# Altium PCB OAI_KPA_Power_Module.PcbDoc (part 1 of 3)
Units mm, origin at the board's own origin, x right, y up, seen from the top; angles counter-clockwise.
Board outline 150.02 x 64.8 mm, 4 copper layers (Top Layer, Mid-Layer 1, Internal Plane 2, Bottom Layer); 170 components, 188 nets, 852 pads, 320 vias.
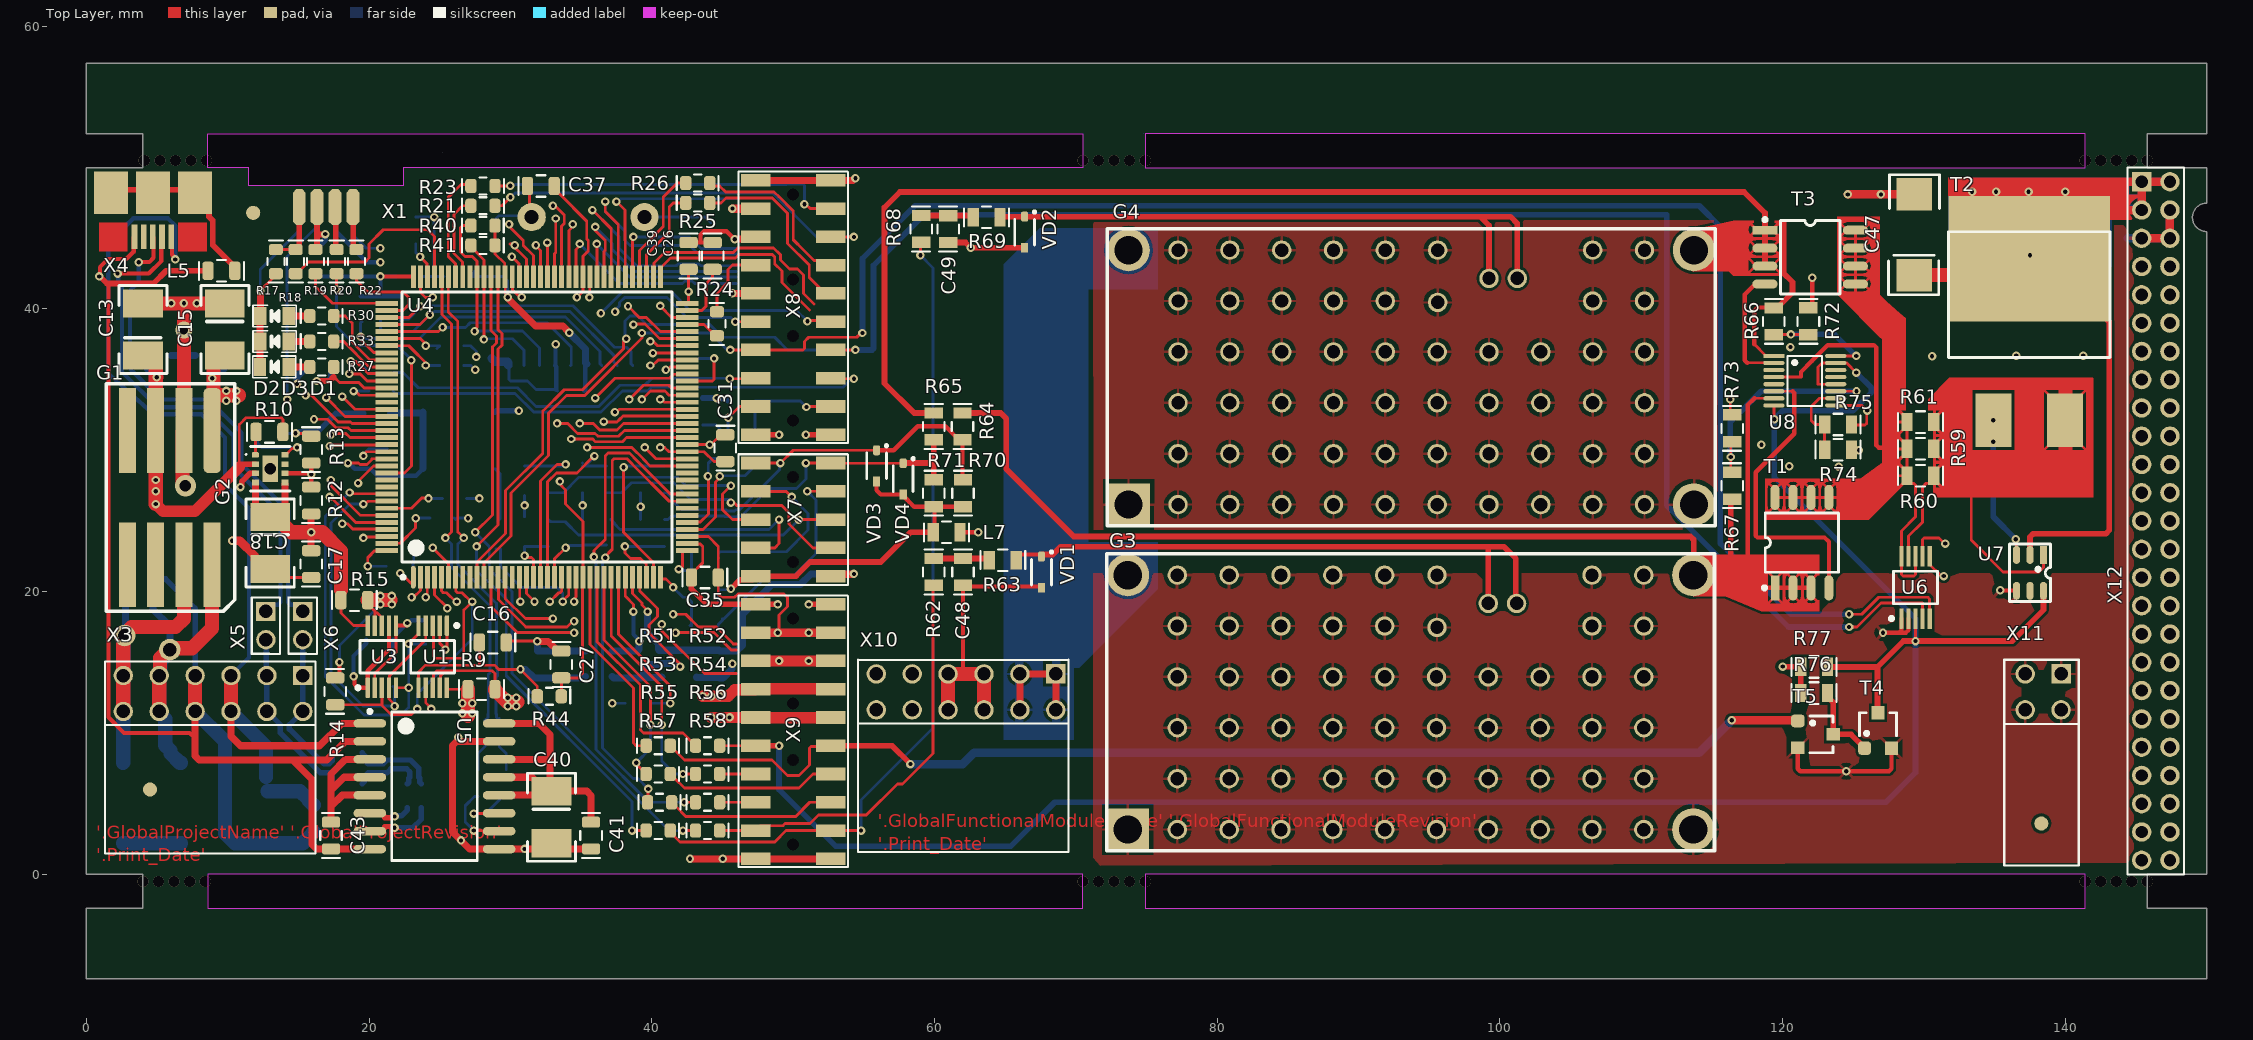
[diagram p0: Top Layer view]
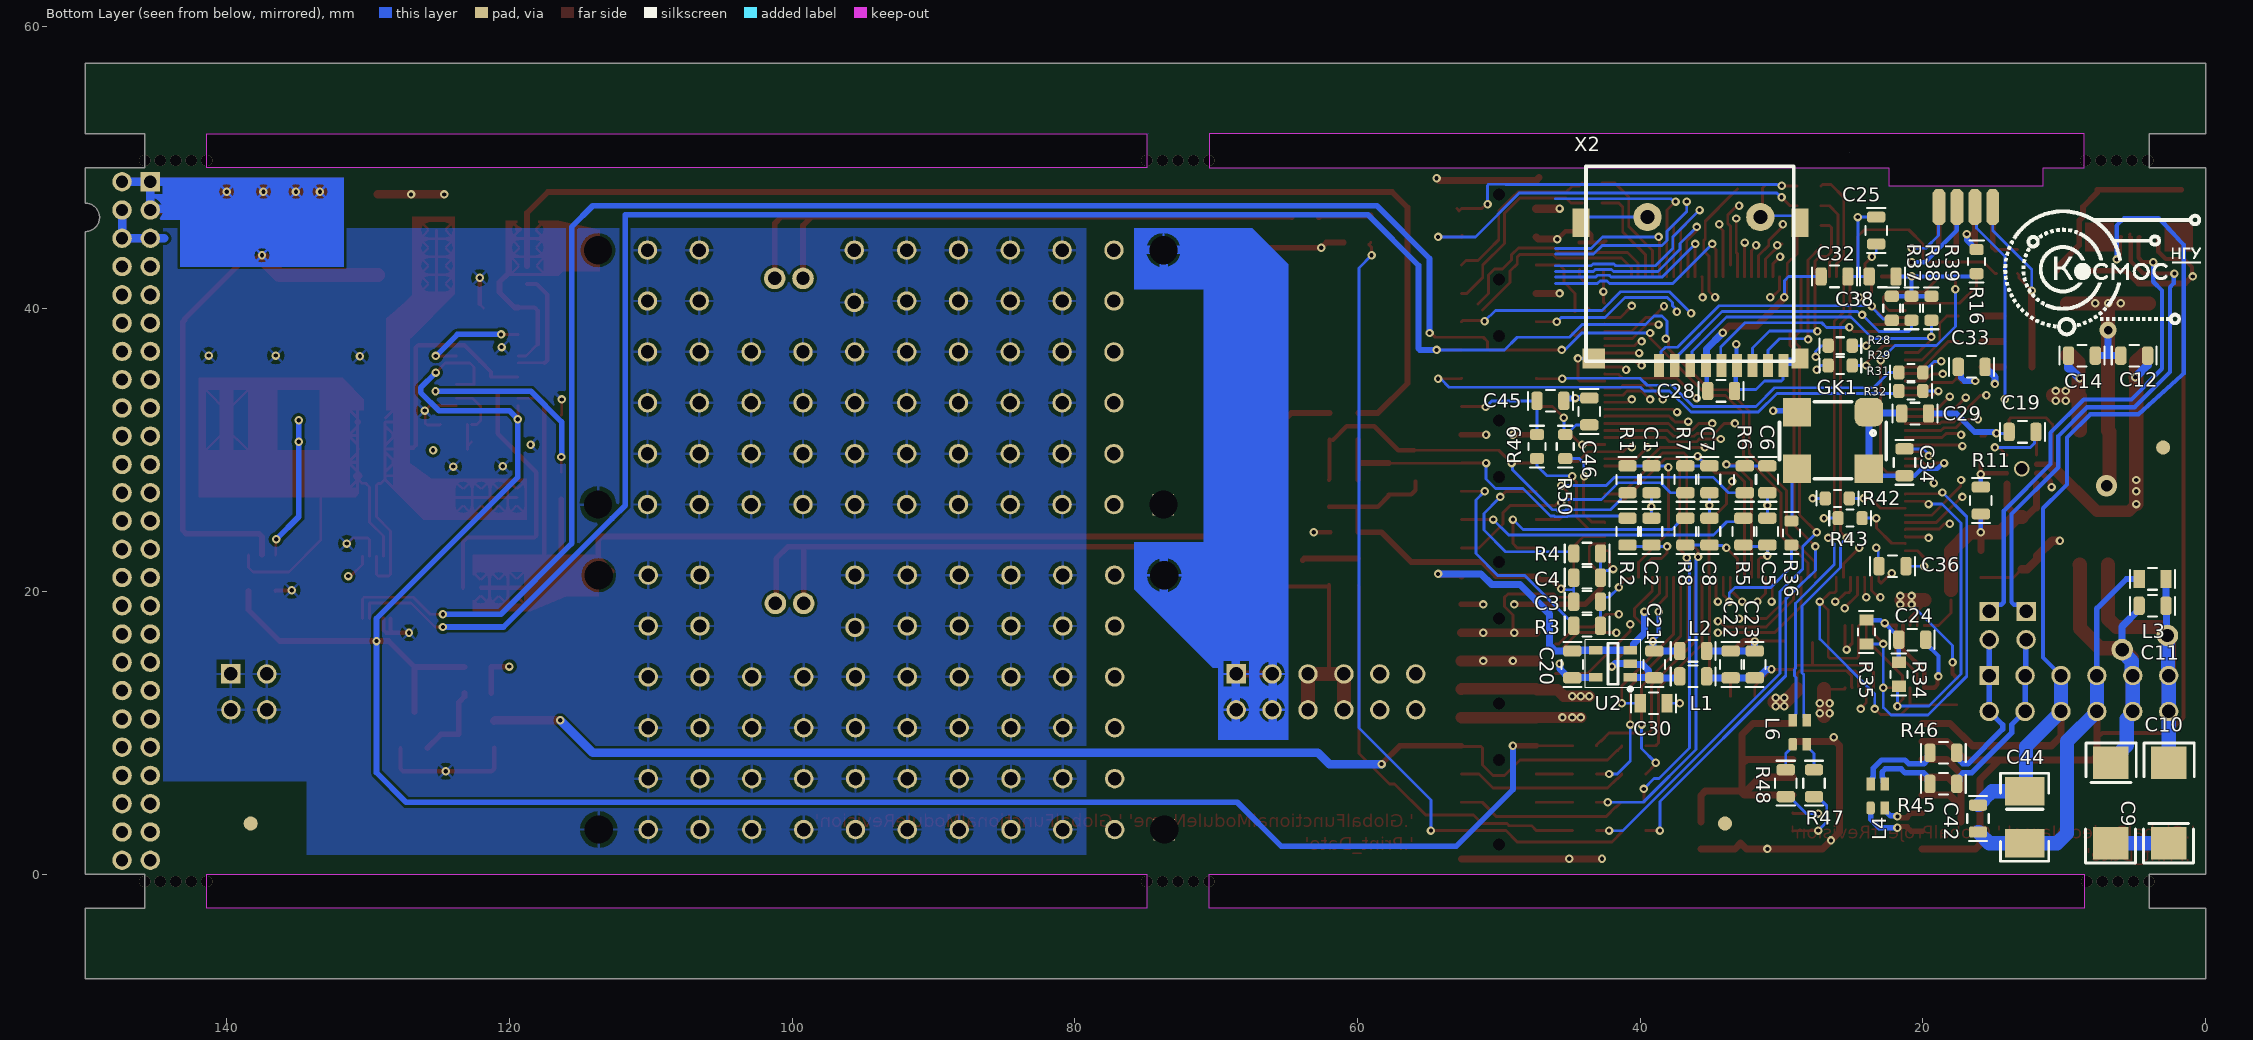
[diagram p1: Bottom Layer view, seen from below]
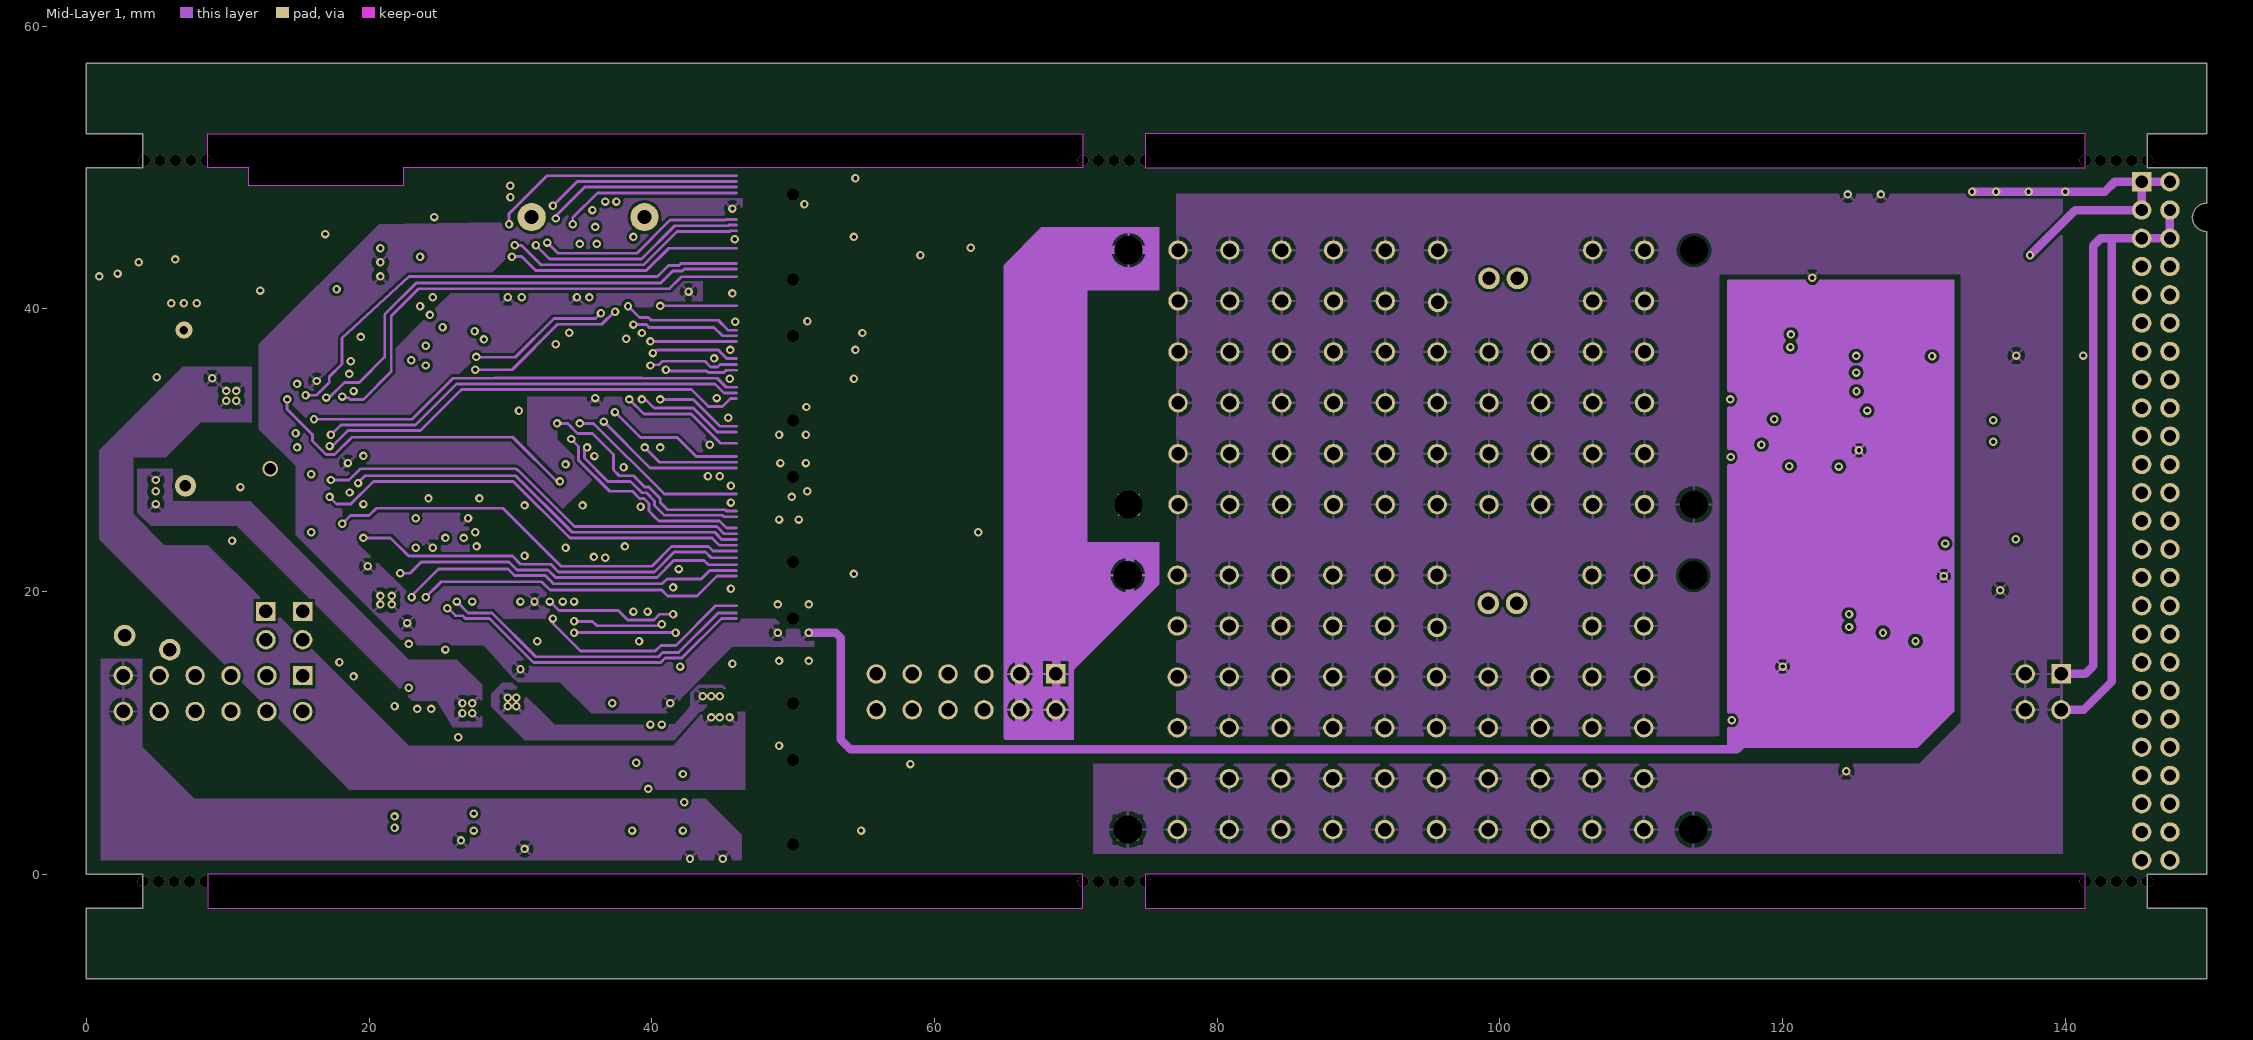
[diagram p2: Mid-Layer 1]
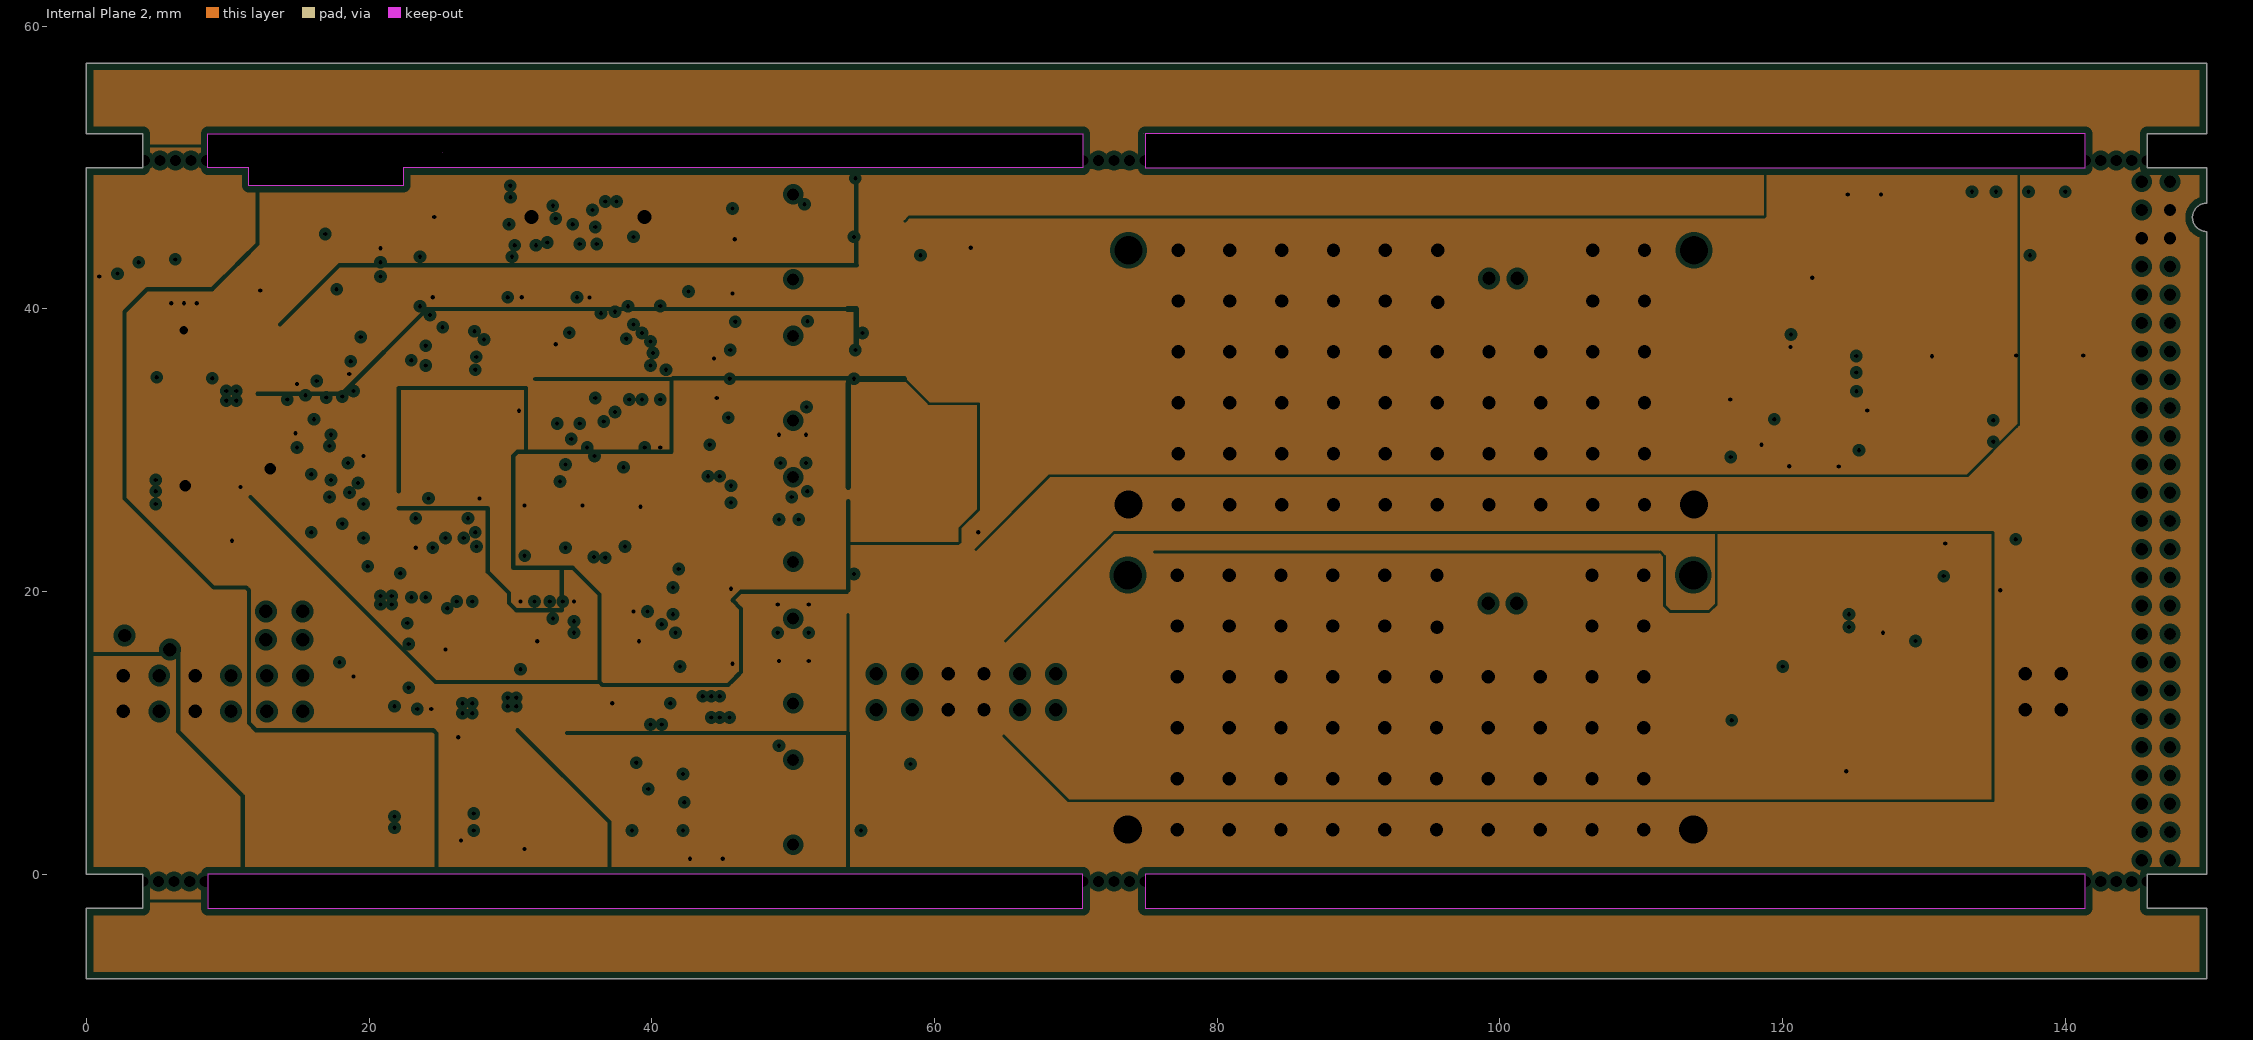
[diagram p3: Internal Plane 2, clearances drawn from the general rule]
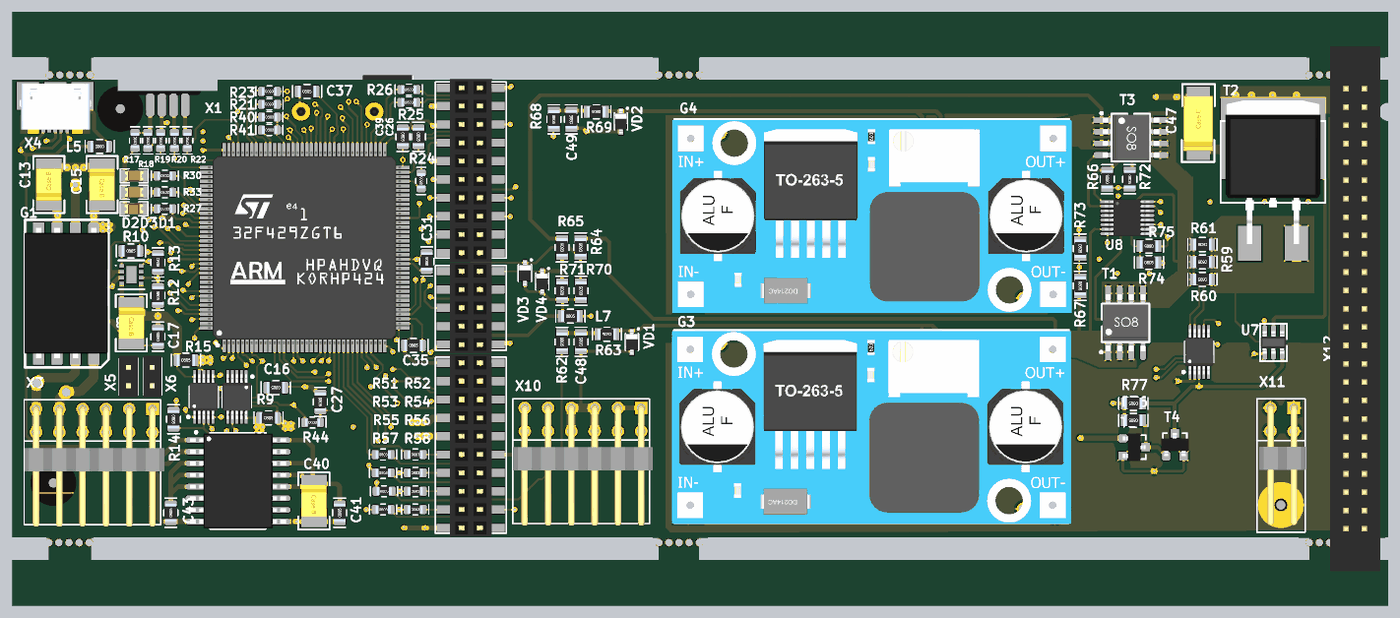
[diagram p6: 3D render of the assembled board from above, using the file's embedded part models]
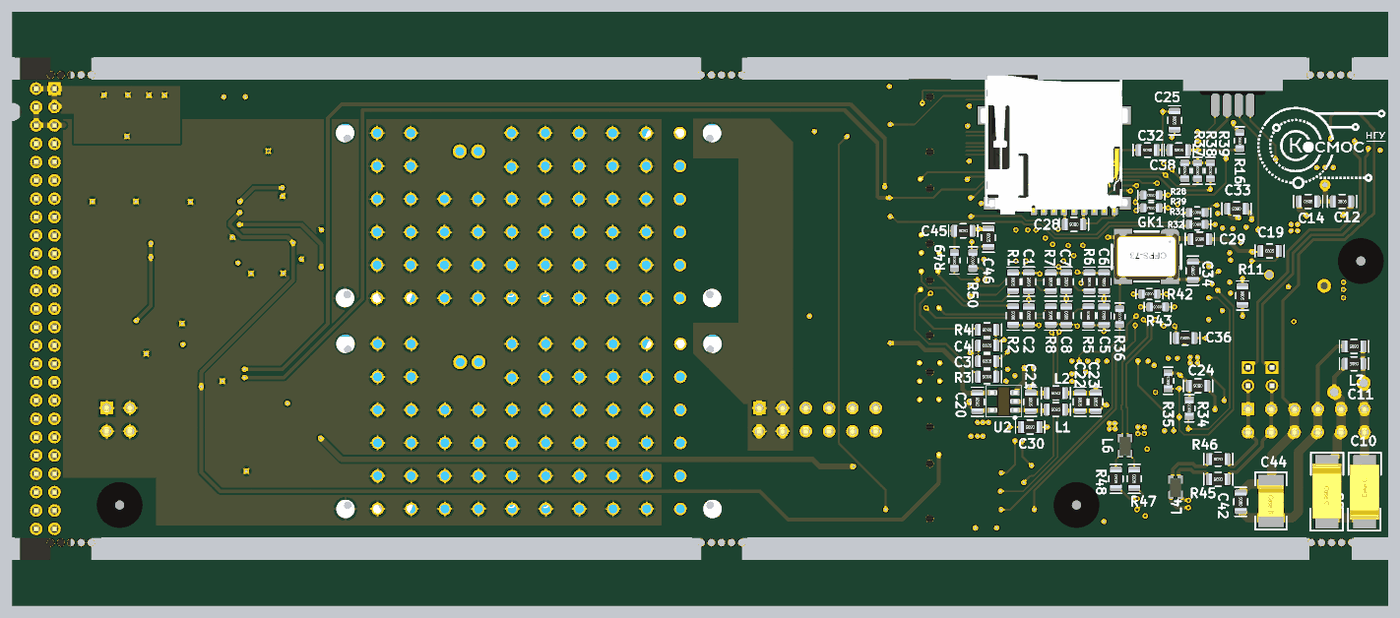
[diagram p7: 3D render of the assembled board from below, using the file's embedded part models]

## Layer stack, top to bottom
Top Solder: solder mask 0.0102, Solder Resist, Dk 3.5
Top Layer: signal copper 0.0356
Dielectric 1: dielectric 0.32, FR-4, Dk 4.8
Mid-Layer 1: signal copper 0.0356
Dielectric3: dielectric 0.32, FR-4, Dk 4.8
Internal Plane 2: plane copper 0.0356, net (Multiple Nets)
Dielectric2: dielectric 0.32, FR-4, Dk 4.8
Bottom Layer: signal copper 0.0356
Bottom Solder: solder mask 0.0102, Solder Resist, Dk 3.5

## Board outline
0,-7.4 0,-2.4 4,-2.4 4,0 0,0 0,50 4,50 4,52.4 0,52.4 0,52.442 0,57.4 150,57.4 150,52.4 145.8,52.4 145.8,50 146,50 150,50 150,47.498 150.021,47.477 ccw(c149.992,46.478) 150.013,45.478 150,26.413 150,0 145.8,0 145.8,-2.4 150,-2.4 150,-7.4
cut-out: 25.2,51.1
cut-out: 8.6,52.4 70.5,52.4 70.5,50 22.422,50 22.422,48.73 11.5,48.73 11.5,50 8.6,50
cut-out: 74.8,52.4
cut-out: 74.9,52.4 74.9,50 141.4,50 141.4,52.4
cut-out: 8.6,-2.4 70.5,-2.4 70.5,0 8.6,0
cut-out: 74.9,0 74.9,-2.4 141.4,-2.4 141.4,0
cut-out: 141.4,0

## Design rules (kind name [scope] priority, off if disabled: settings)
Clearance "Clearance ALL" [All] p1: gap=0.2 ignorepadtopadclearanceinfootprint=TRUE
ComponentClearance [All] p1: gap=0.051 collisioncheckmode=3 verticalgap=0.051 showdistances=FALSE
DiffPairsRouting [All] p1: maxlimit=3 minlimit=0.2 mostfreqgap=0.25 toplayer_minwidth=0.2 toplayer_maxwidth=1 toplayer_prefwidth=0.25 midlayer1_minwidth=0.2 midlayer1_maxwidth=1 midlayer1_prefwidth=0.25 bottomlayer_minwidth=0.2 bottomlayer_maxwidth=1 bottomlayer_prefwidth=0.25 maxuncoupledlength=12.7
MatchedLengths [InDifferentialPair('No Differential Pair')] p1: tolerance=0.5 checknetsindiffpair=TRUE checkdiffpairvsdiffpair=FALSE checkxsignals=FALSE checkothers=FALSE usedelayunits=FALSE
PlaneClearance [All] p1: clearance=0.3
PlaneConnect [All] p1: planeconnectstyle=Relief reliefexpansion=0.508 reliefentries=4 reliefconductorwidth=0.254 reliefairgap=0.3
PolygonConnect [All] p1: thpad.connectstyle=Relief thpad.reliefconductorwidth=0.2 thpad.reliefentries=4 thpad.polygonreliefangle="90 Angle" thpad.airgapwidth=0.3 smdpad.connectstyle=Relief smdpad.reliefconductorwidth=0.2 smdpad.reliefentries=4 smdpad.polygonreliefangle="45 Angle" smdpad.airgapwidth=0.3 via.connectstyle=Relief via.reliefconductorwidth=0.2 via.reliefentries=4 via.polygonreliefangle="45 Angle" via.airgapwidth=0.3
RoutingVias [All] p1: holewidth=0.3 width=0.6 viastyle="Through Hole" minholewidth=0.3 minwidth=0.6 maxholewidth=1 maxwidth=3
SolderMaskExpansion [All] p1: expansion=0.102
Width [All] p1: maxlimit=5 minlimit=0.2 preferedwidth=0.2
26 further rules are at their usual default settings.

## Classes and differential pairs
component class Power_Regulator: C49 G3 G4 L7 R59 R60 R61 R62 R63 R64 R65 R66 R67 R68 R69 R70 R71 R72 R73 R74 R75 R76 R77 T1 T2 T3 T4 T5 U6 U7 U8 VD1 VD2 VD3 VD4
component class USB: C40 C41 C42 C43 C44 L4 L5 L6 R45 R46 R47 R48 U5 X4 X5 X6
component class Power: C9 C10 C11 C12 C13 C14 C15 C16 C17 C18 C19 C20 C21 C22 C23 C24 G1 G2 L1 L2 R9 R10 R11 R12 R13 R14 R15 U1 U2 U3
component class Module_main: X7 X8 X9 X10 X11
component class Digital_module: C25 C26 C27 C28 C29 C30 C31 C32 C33 C34 C35 C36 C37 C38 C39 D1 D2 D3 GK1 L3 R16 R17 R18 R19 R20 R21 R22 R23 R24 R25 R26 R27 R28 R29 R30 R31 R32 R33 R34 R35 R36 R37 R38 R39 R40 R41 R42 R43 R44 U4 X1 X2 X3
component class Device_unit: X12
component class Designator: R51 R52 R53 R54 R55 R56 R57 R58
component class DAC_Filter: C45 C46 R49 R50
component class ADC_Filter: C1 C2 C3 C4 C5 C6 C7 C8 R1 R2 R3 R4 R5 R6 R7 R8
differential pair Out_D_M2: +Out_D_M2_P -Out_D_M2_N
differential pair Out_D_M1: +Out_D_M1_P -Out_D_M1_N
differential pair Out_D_2: +Out_D_2_P -Out_D_2_N
differential pair Out_D_1_MB: +Out_D_1_MB_P -Out_D_1_MB_N
differential pair D_IN_3: +D_IN_3_P -D_IN_3_N
differential pair D_IN_2: +D_IN_2_P -D_IN_2_N
differential pair D_IN_1: +D_IN_1_P -D_IN_1_N

## Components (designator, comment, footprint, x,y, rotation, side; value= is the part's Value field where it differs from the comment)
C1 "200пФ" SMD_0805#1 39.2,25.2 r270 bottom value=0,1мкФ
C2 "200пФ" SMD_0805#1 39.2,27 r90 bottom value=0,1мкФ
C3 "200пФ" SMD_0805#1 44.7,19.29 r180 bottom value=0,1мкФ
C4 "200пФ" SMD_0805#1 44.7,20.99 r180 bottom value=0,1мкФ
C5 "200пФ" SMD_0805#1 31,25.2 r270 bottom value=0,1мкФ
C6 "200пФ" SMD_0805#1 31,27 r90 bottom value=0,1мкФ
C7 "200пФ" SMD_0805#1 35.1,27 r90 bottom value=0,1мкФ
C8 "200пФ" SMD_0805#1 35.1,25.2 r270 bottom value=0,1мкФ
C9 "10мкФх50В" SMD_size_C 6.7,7.9 r270 bottom
C10 "10мкФх50В" SMD_size_C 2.6,2.2 r90 bottom
C11 "0,1мкФ" SMD_0805#1 2.8,19 r0 bottom
C12 "0,22мкФ" SMD_0805#1 6,36.7 r180 bottom value=0,1мкФ
C13 "10мкФ 16В" SMD_size_B 4,36.7 r90 top value=10мкФх50В
C14 "0,22мкФ" SMD_0805#1 9.7,36.7 r180 bottom value=0,1мкФ
C15 "10мкФ 16В" SMD_size_B 9.8,40.383 r270 top value=10мкФх50В
C16 "0,22мкФ" SMD_0805#1 29.7,16.4 r180 top value=0,1мкФ
C17 "0,1мкФ" SMD_0805#1 15.9,21 r90 top
C18 "10мкФ 16В" SMD_size_B 13,25.283 r270 top value=10мкФх50В
C19 "0,22мкФ" SMD_0805#1 13.9,31.3 r180 bottom value=0,1мкФ
C20 "0,1мкФ" SMD_0805#1 44.8,13.9 r90 bottom
C21 "0,1мкФ" SMD_0805#1 39,15.805 r270 bottom
C22 "10мкФ" SMD_0805#1 33.6,15.805 r270 bottom value=0,1мкФ
C23 "0,1мкФ" SMD_0805#1 31.9,15.805 r270 bottom
C24 "0,22мкФ" SMD_0805#1 19.8,16.6 r0 bottom value=0,1мкФ
C25 "10мкФ" SMD_0805#1 23.3,46.5 r270 bottom value=0,1мкФ
C26 "10мкФ" SMD_0805#1 44.3,44.7 r270 top value=0,1мкФ
C27 "0,1мкФ" SMD_0805#1 33.6,15.8 r270 top
C28 "0,1мкФ" SMD_0805#1 33.322,34.2 r0 bottom
C29 "0,1мкФ" SMD_0805#1 19.6,32.6 r0 bottom
C30 "0,1мкФ" SMD_0805#2 38.1,12.1 r0 bottom
C31 "0,1мкФ" SMD_0805#1 45.2,29.2 r90 top
C32 "0,1мкФ" SMD_0805#1 25.3,42.3 r0 bottom
C33 "0,1мкФ" SMD_0805#1 15.6,35.9 r0 bottom
C34 "0,1мкФ" SMD_0805#1 21.3,30.1 r270 bottom
C35 "0,1мкФ" SMD_0805#1 42.8,21 r0 top
C36 "0,1мкФ" SMD_0805#1 23.1,21.8 r180 bottom
C37 "0,1мкФ" SMD_0805#1 31.2,48.7 r0 top
C38 "0,1мкФ" SMD_0805#1 23.8,42.3 r180 bottom
C39 "0,1мкФ" SMD_0805#1 42.6,44.7 r270 top
C40 "10мкФ 16В" SMD_size_B 32.9,5.883 r270 top value=10мкФх50В
C41 "0,1мкФ" SMD_0805#1 35.7,1.8 r90 top
C42 "0,1мкФ" SMD_0805#1 16.1,3 r90 bottom
C43 "0,1мкФ" SMD_0805#1 17.3,1.8 r90 top
C44 "10мкФ 16В" SMD_size_B 12.8,5.883 r270 bottom value=10мкФх50В
C45 "200пФ" SMD_0805#1 45.4,33.5 r0 bottom value=0,1мкФ
C46 "200пФ" SMD_0805#1 43.6,33.7 r270 bottom value=0,1мкФ
C47 "10мкФх50В" SMD_size_C 129.3,42.4 r90 top
C48 "0,1мкФ" SMD_0805#2 62.012,20.447 r90 top
C49 "0,1мкФ" SMD_0805#2 60.96,44.704 r90 top
D1 "LED" LED-0805 14.3,35.9 r180 top value=red
D2 "LED" LED-0805 14.332,39.5 r180 top value=green
D3 "LED" LED-0805 14.332,37.7 r180 top value=yellow
G1 "TDN 5-4821" TDN_5_WISM 8.9,21.9 r90 top
G2 "TPS82130" USIL-8 11.95,29.675 r0 top
G3 "LM2596" "LM2596 MODULE" 73.679,21.17 r0 top
G4 "LM2596" "LM2596 MODULE" 73.728,44.162 r0 top
GK1 "GK108-P" SMD_7050_Crystal_Oscillator 23.82,32.7 r0 bottom
L1 "1мкГн" SMD_0805#1 35.3,14.005 r0 bottom
L2 "1мкГн" SMD_0805#1 35.3,15.805 r0 bottom
L3 "1мкГн" SMD_0805#2 2.8,20.9 r0 bottom
L4 "65Ом, 100 МГц" ACM2012 23.7,4.7 r90 bottom value="20мкГн, 8,5мОм"
L5 "1мкГн" SMD_0805#1 10.5,42.7 r180 top
L6 "65Ом, 100 МГц" ACM2012 29.2,9.2 r90 bottom value="20мкГн, 8,5мОм"
L7 "1мкГн" SMD_0805#2 59.9,24.2 r0 top
R1 "1к" SMD_0805#1 40.9,23.3 r90 bottom
R2 "1к" SMD_0805#1 40.9,28.9 r270 bottom
R3 "1к" SMD_0805#1 42.8,17.59 r0 bottom
R4 "1к" SMD_0805#1 42.8,22.7 r0 bottom
R5 "1к" SMD_0805#1 32.7,23.3 r90 bottom
R6 "1к" SMD_0805#1 32.6,28.9 r270 bottom
R7 "1к" SMD_0805#1 36.8,28.9 r270 bottom
R8 "1к" SMD_0805#1 36.8,23.3 r90 bottom
R9 "0,2 Ом" SMD_0805#1 27,13.1 r0 top value=1к
R10 "11 кОм" SMD_0805#1 12,31.3 r0 top value=1к
R11 "33кОм" SMD_0805#1 15.9,27.4 r270 bottom value=1к
R12 "15кОм" SMD_0805#1 15.9,27.4 r270 top value=1к
R13 "3к3" SMD_0805#1 15.9,31 r270 top value=1к
R14 "11 кОм" SMD_0805#1 17.6,13.9 r270 top value=1к
R15 "0,2 Ом" SMD_0805#1 18,19.4 r0 top value=1к
R16 "2K" SMD_0603#1 16.2,44.2 r270 bottom value=1к
R17 "2K" SMD_0603#1 13.4,44.2 r270 top value=1к
R18 "100" SMD_0603#1 14.8,44.2 r270 top value=1к
R19 "100" SMD_0603#1 16.2,44.2 r270 top value=1к
R20 "100" SMD_0603#1 17.7,44.2 r270 top value=1к
R21 "1к" SMD_0603#1 28.9,47.3 r180 top